# Altium PCB BB.PcbDoc (part 1 of 6) (continued)
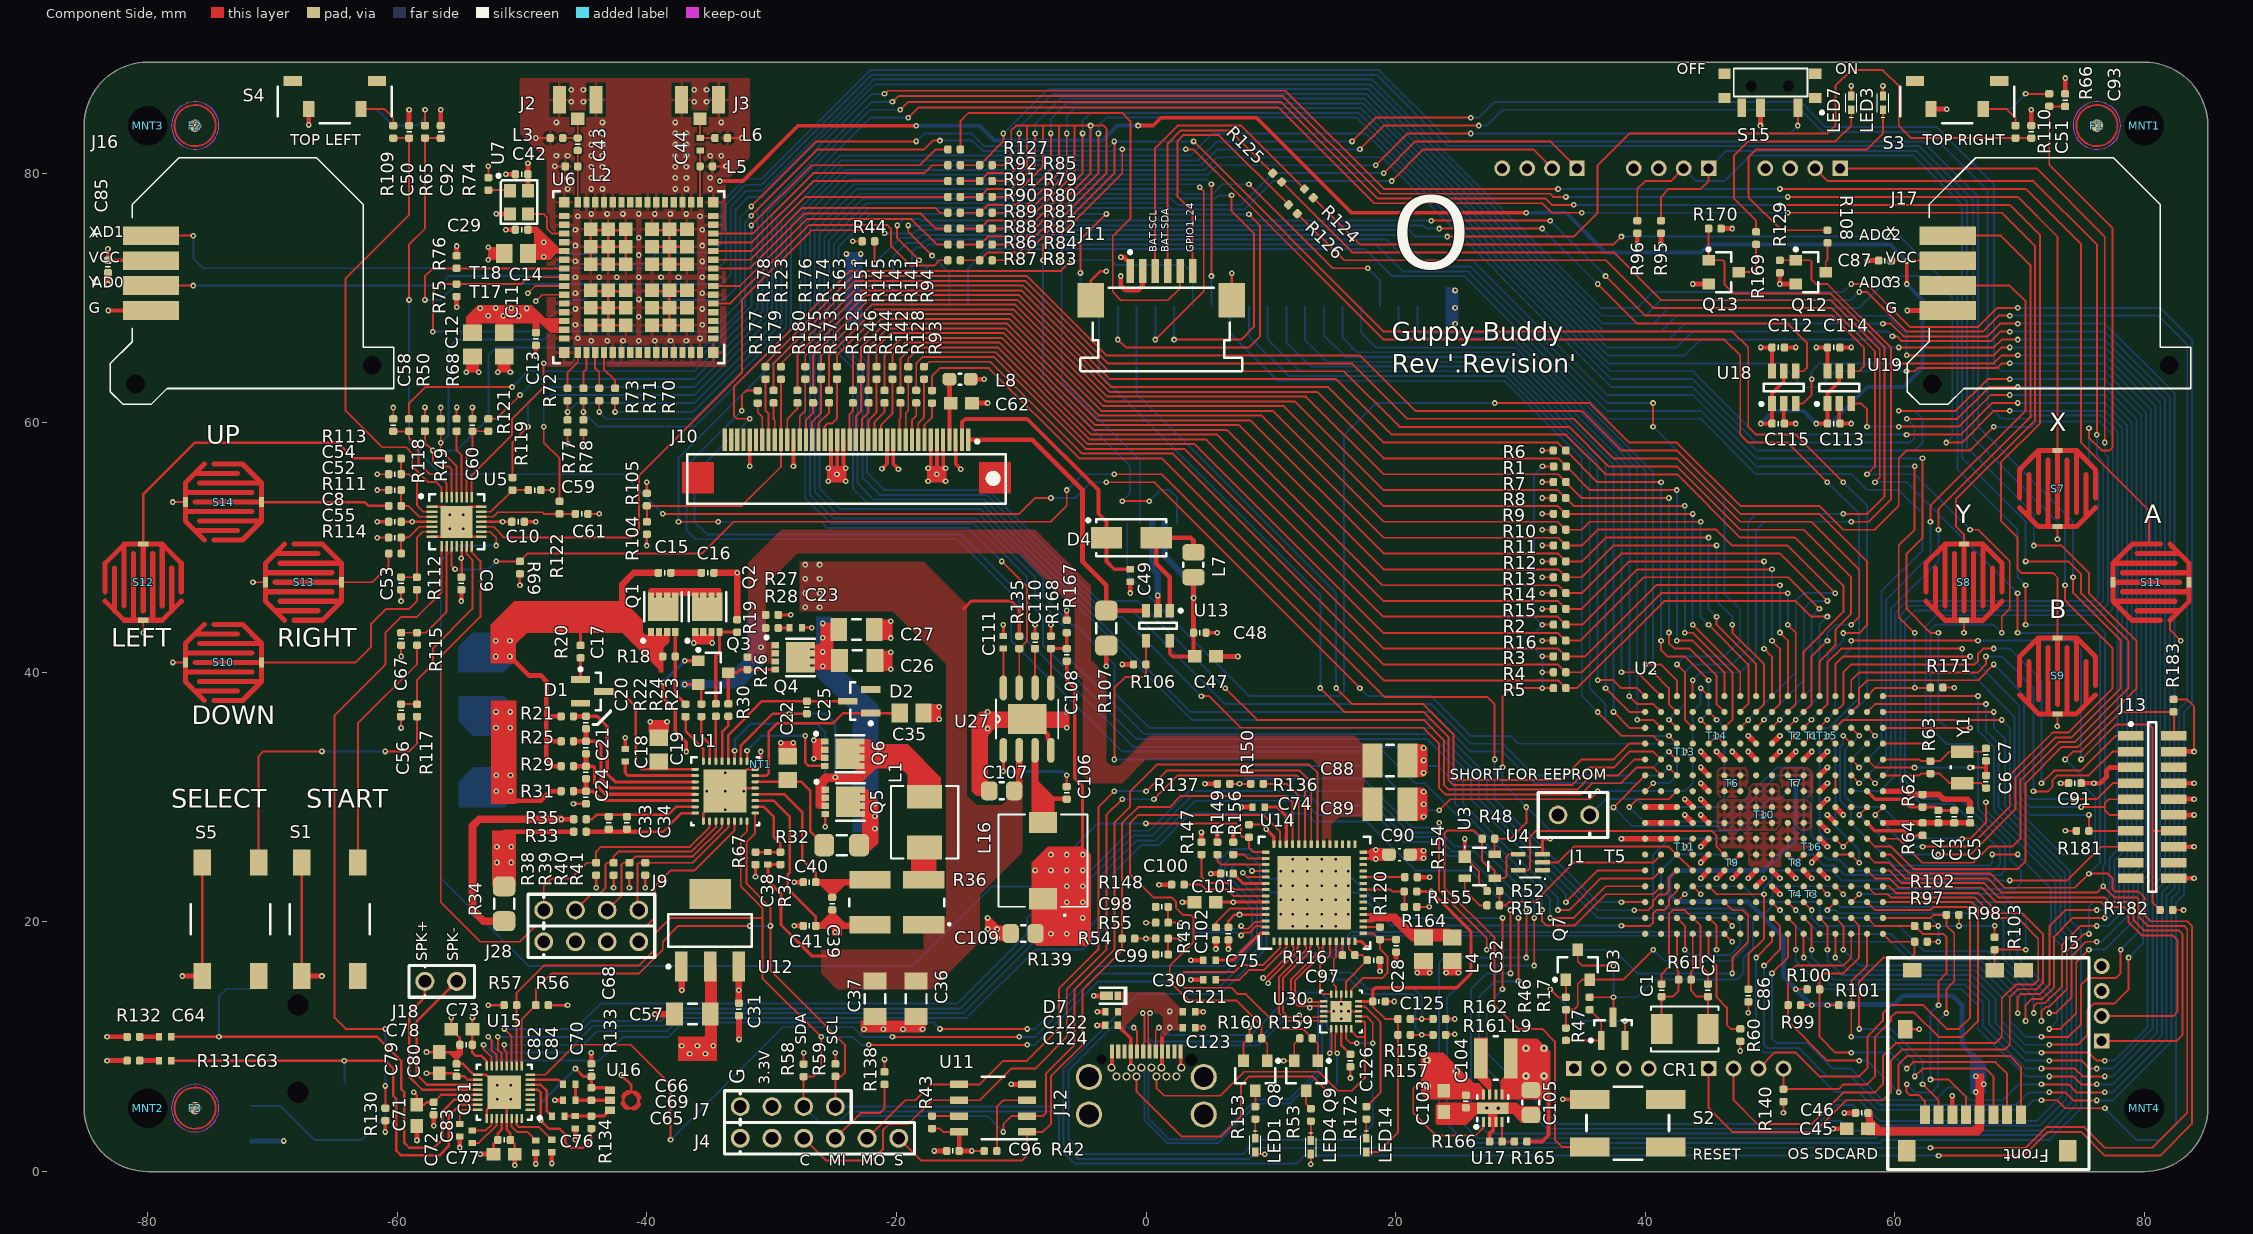
[diagram p0: Component Side view]
## Components (designator, comment, footprint, x,y, rotation, side; value= is the part's Value field where it differs from the comment) (continued)
J14 "J_LIPO_BAT_CONNECTOR" HDR_1X2_LIPO_BATTERY -46.04,38.846 r90 bottom locked
J15 "J_LIPO_BAT_CONNECTOR" HDR_1X2_LIPO_BATTERY -46.04,28.178 r90 bottom locked
J16 "J_PSP1000" JOYSTICK_PSP1000 -72,72 r0 top locked
J17 "J_PSP1000" JOYSTICK_PSP1000 72,72 r0 top locked
J18 "J_HDR1X2_THRHOLE_VERT_FEMALE" 1X2_HOLES_VERTICAL_FEMALE_HEADRER -57.785,15.24 r0 top
J19 "Headphone Jack" HEADPHONE_JACK -73.045,1.85 r90 bottom
J20 "320110034" HW4-2.0-90D 76.581,13.462 r90 bottom locked
J21 "320110034" HW4-2.0-90D 42.085,80.391 r180 bottom locked
J22 "320110034" HW4-2.0-90D 31.544,80.391 r180 bottom locked
J23 "320110034" HW4-2.0-90D 52.626,80.391 r180 bottom locked
J24 "320110034" HW4-2.0-90D 48.085,8.255 r0 bottom locked
J25 "320110034" HW4-2.0-90D 37.29,8.255 r0 bottom locked
J28 "J_HDR1X4_THRHOLE_VERT" HDR_1X4 -48.26,18.415 r0 top
L1 "L_IHLP2020BZER2R2M11" IHLP-2020BZ -17.742,27.995 r90 top
L2 "L_0402_1.3nH" R_0402 -46.04,80.555 r0 top
L3 "L_0402_1.3nH" R_0402 -47.236,82.825 r0 top
L4 "L_FB_21OHM_100MHZ" C_ERA-0805 22.244,17.815 r90 top
L5 "L_0402_2.2nH" R_0402 -35.24,80.555 r180 top
L6 "L_0402_1.8nH" R_0402 -34.044,82.825 r180 top
L7 "CBC2016T220K" L_0806 3.808,48.625 r270 top
L8 "L_BEAD_0603_30OHM_100MHZ" R_0603 -14.9,63.5 r0 top
L9 "1.0uH" SRN3010-1R0Y 28.035,9.05 r0 top
L16 "L_CLF7045T-3R3N" CLF7045 -8.255,24.916 r90 top
LED1 "LED_GRN_0402" DIOM1005X07L_GREEN 8.757,2.117 r270 top
LED3 "LED_GRN_0402" DIOM1005X07L_GREEN 59.055,85.64 r90 top
LED4 "LED_YLW_0402" DIOM1005X07L_YELLOW 13.208,1.947 r270 top
LED7 "LED_GRN_0402" DIOM1005X07L_GREEN 56.515,85.64 r90 top
LED14 "LED_RED_0402" DIOM1005X07L_RED 17.653,2.117 r270 top
MNT1 "Mounting Hole" MNT_4-40 80.01,83.82 r0 top locked
MNT2 "Mounting Hole" MNT_4-40 -80.01,5.08 r0 top locked
MNT3 "Mounting Hole" MNT_4-40 -80.01,83.82 r0 top locked
MNT4 "Mounting Hole" MNT_4-40 80.01,5.08 r0 top locked
NT1 "NET_TIE" NET_TIE -30.861,32.632 r90 top net-tie
Q1 "N-Channel Nex_FET" "Q_TDSON-8 NexFET" -38.698,44.665 r90 top
Q2 "N-Channel Nex_FET" "Q_TDSON-8 NexFET" -35.148,44.665 r90 top
Q3 "NFET" SOT-23A -34.673,39.98 r90 top
Q4 "N-Channel Nex_FET" "Q_TDSON-8 NexFET" -28.278,41.205 r0 top
Q5 "N-Channel Nex_FET" "Q_TDSON-8 NexFET" -24.273,29.63 r0 top
Q6 "N-Channel Nex_FET" "Q_TDSON-8 NexFET" -24.313,33.48 r0 top
Q7 "PNP" SOT-23A 34.601,16.575 r180 top
Q8 "NFET" SOT-23A 8.763,7.677 r0 top
Q9 "NFET" SOT-23A 12.827,7.677 r0 top
Q12 "NFET" SOT-23A 53.27,72.075 r90 top
Q13 "NFET" SOT-23A 46.285,72.075 r90 top
R1 "R_0402_100K" R_0402 33.167,56.515 r0 top
R2 "R_0402_100K" R_0402 33.155,43.823 r0 top
R3 "R_0402_100K" R_0402 33.144,41.284 r0 top
R4 "R_0402_100K" R_0402 33.155,40.009 r0 top
R5 "R_0402_100K" R_0402 33.155,38.735 r0 top
R6 "R_0402_100K" R_0402 33.144,57.785 r180 top
R7 "R_0402_100K" R_0402 33.155,55.253 r180 top
R8 "R_0402_100K" R_0402 33.144,53.975 r180 top
R9 "R_0402_100K" R_0402 33.155,52.709 r180 top
R10 "R_0402_100K" R_0402 33.144,51.435 r180 top
R11 "R_0402_100K" R_0402 33.155,50.176 r180 top
R12 "R_0402_100K" R_0402 33.144,48.895 r180 top
R13 "R_0402_100K" R_0402 33.155,47.625 r180 top
R14 "R_0402_100K" R_0402 33.155,46.351 r180 top
R15 "R_0402_100K" R_0402 33.155,45.085 r180 top
R16 "R_0402_100K" R_0402 33.144,42.545 r180 top
R17 "R_0402_39K" R_0402 35.551,13.47 r270 top
R18 "R_0402_10M" R_0402 -38.223,41.275 r0 top
R19 "R_0402_10M" R_0402 -32.766,43.73 r270 top
R20 "R_0402_10.0" R_0402 -45.316,41.664 r270 top
R21 "R_0402_100.0" R_0402 -46.378,36.48 r0 top
R22 "5.11k Ohms" R_0402 -36.898,36.956 r270 top
R23 "5.11k Ohms" R_0402 -34.473,36.98 r270 top
R24 "R_0402_10.0K" R_0402 -35.628,36.965 r270 top
R25 "R_0402_100.0" R_0402 -46.378,34.48 r0 top
R26 "R_0402_10M" R_0402 -31.945,40.73 r270 top
R27 "R_0402_100.0K" R_0402 -29.973,44.611 r0 top
R28 "1.0 Ohms" R_0402 -29.973,43.561 r0 top
R29 "R_0402_100.0" R_0402 -46.378,32.48 r0 top
R30 "5.11k Ohms" R_0402 -33.473,36.98 r90 top
R31 "R_0402_100.0" R_0402 -46.378,30.48 r0 top
R32 "R_1206_10" R_1206 -24.384,26.162 r0 top
R33 "0.0 Ohms" R_0402 -45.358,27.23 r0 top
R34 "R_1206_0.005" R_1206 -51.44,21.46 r270 top
R35 "0.0 Ohms" R_0402 -45.358,28.23 r0 top
R36 "0.01 OHM" R_LVK25_0.003 -19.967,21.568 r90 top
R37 "R_0402_330K" R_0402 -29.292,25.097 r90 top
R38 "R_0402_NTC_10.0K" R_0402 -44.064,24.246 r270 top
R39 "R_0402_NTC_10.0K" R_0402 -42.667,24.246 r270 top
R40 "R_0402_NTC_10.0K" R_0402 -41.397,24.246 r270 top
R41 "R_0402_NTC_10.0K" R_0402 -40.127,24.246 r270 top
R42 "3.3k Ohms" R_0402 -12.454,1.649 r0 top
R43 "3.3k Ohms" R_0402 -17.145,3.945 r90 top
R44 "R_0402_100K" R_0402 -22.25,74.549 r180 top
R45 "R_0402_15.0K" R_0402 5.604,19.058 r90 top
R46 "R_0402_499.0" R_0402 33.646,13.47 r270 top
R47 "R_0402_10.0K" R_0402 33.646,11.002 r90 top
R48 "R_0402_10.0K" R_0402 27.44,26.67 r180 top
R49 "R_0402_2.2K" R_0402 -56.515,59.817 r270 top
R50 "R_0402_2.2K" R_0402 -57.785,59.825 r270 top
R51 "1.0k Ohms" R_0402 27.821,21.336 r0 top
R52 "R_0402_100K" R_0402 27.829,22.479 r180 top
R53 "1.0k Ohms" R_0402 13.208,4.537 r90 top
R54 "R_0402_100K" R_0402 1.278,18.669 r180 top
R55 "R_0402_100K" R_0402 1.278,19.944 r0 top
R56 "R_0402_2.2K" R_0402 -48.395,13.335 r180 top
R57 "R_0402_2.2K" R_0402 -50.94,13.335 r0 top
R58 "R_0402_2.2K" R_0402 -27.432,8.112 r270 top
R59 "R_0402_2.2K" R_0402 -24.892,8.125 r270 top
R60 "R_0402_10.0K" R_0402 47.625,10.93 r90 top
R61 "1.0M Ohms" R_0402 43.18,15.375 r180 top
R62 "0.0 Ohms" R_0402 62.23,29.71 r90 top
R63 "1.0M Ohms" R_0402 62.854,32.394 r270 top
R64 "0.0 Ohms" R_0402 62.24,27.437 r90 top
R65 "R_0402_10.0K" R_0402 -57.777,83.32 r90 top
R66 "4.7k Ohms" R_0402 72.381,85.86 r90 top
R67 "56.2k" R_0402 -31.292,25.097 r270 top
R68 "4.7k Ohms" R_0402 -55.245,59.825 r270 top
R69 "4.7k Ohms" R_0402 -50.17,48.395 r90 top
R70 "R_0402_33" R_0402 -42.545,62.275 r90 top
R71 "R_0402_33" R_0402 -43.815,62.275 r90 top
R72 "R_0402_33" R_0402 -46.355,62.275 r90 top
R73 "R_0402_33" R_0402 -45.085,62.275 r90 top
R74 "1.0k Ohms" R_0402 -52.705,79.15 r270 top
R75 "R_0402_100.0K" R_0402 -55.245,70.62 r270 top
R76 "R_0402_100.0K" R_0402 -55.245,72.89 r90 top
R77 "1.0k Ohms" R_0402 -46.355,59.735 r90 top
R78 "1.0k Ohms" R_0402 -45.085,59.735 r90 top
R79 "R_0402_10.0K" R_0402 -12.835,79.375 r180 top
R80 "R_0402_10.0K" R_0402 -12.835,78.105 r180 top
R81 "R_0402_10.0K" R_0402 -12.835,76.835 r180 top
R82 "R_0402_10.0K" R_0402 -12.835,75.565 r180 top
R83 "R_0402_10.0K" R_0402 -12.835,73.025 r180 top
R84 "R_0402_10.0K" R_0402 -12.835,74.296 r180 top
R85 "R_0402_10.0K" R_0402 -12.835,80.645 r180 top
R86 "R_0402_33" R_0402 -15.375,74.295 r180 top
R87 "R_0402_33" R_0402 -15.375,73.025 r180 top
R88 "R_0402_33" R_0402 -15.375,75.565 r180 top
R89 "R_0402_33" R_0402 -15.375,76.835 r180 top
R90 "R_0402_33" R_0402 -15.375,78.105 r180 top
R91 "R_0402_33" R_0402 -15.375,79.375 r180 top
R92 "R_0402_33" R_0402 -15.375,80.645 r180 top
R93 "R_0402_33" R_0402 -17.145,62.086 r270 top
R94 "R_0402_33" R_0402 -17.78,64 r270 top
R95 "R_0402_2.2K" R_0402 41.275,75.7 r90 top
R96 "R_0402_2.2K" R_0402 39.37,75.7 r90 top
R97 "R_0402_10.0K" R_0402 62.095,18.415 r180 top
R98 "R_0402_10.0K" R_0402 64.643,20.574 r180 top
R99 "R_0402_10.0K" R_0402 51.952,13.335 r180 top
R100 "R_0402_10.0K" R_0402 53.475,14.605 r0 top
R101 "R_0402_10.0K" R_0402 56.015,13.337 r0 top
R102 "R_0402_10.0K" R_0402 62.095,19.685 r180 top
R103 "R_0402_10.0K" R_0402 68.01,18.28 r270 top
R104 "R_0402_10.0K" R_0402 -39.997,51.57 r90 top
R105 "R_0402_10.0K" R_0402 -40.005,53.84 r90 top
R106 "R_0402_10.0K" R_0402 -0.502,40.64 r180 top
R107 "R_1206_4.99" R_1206 -3.177,43.545 r270 top
R108 "1.0k Ohms" R_0402 54.61,74.93 r270 top
R109 "R_0402_10.0K" R_0402 -60.325,83.32 r90 top
R110 "4.7k Ohms" R_0402 69.675,83.32 r90 top
R111 "4.7k Ohms" R_0402 -60.19,53.34 r180 top
R112 "4.7k Ohms" R_0402 -58.428,47.125 r270 top
R113 "4.7k Ohms" R_0402 -60.19,57.15 r180 top
R114 "4.7k Ohms" R_0402 -60.19,49.53 r180 top
R115 "4.7k Ohms" R_0402 -58.42,42.68 r270 top
R116 "0.0 Ohms" R_0402 16.244,17.342 r0 top
R117 "4.7k Ohms" R_0402 -58.42,36.956 r270 top
R118 "4.7k Ohms" R_0402 -59.055,59.817 r90 top
R119 "4.7k Ohms" R_0402 -50.765,55.11 r90 top
R120 "0.0 Ohms" R_0402 18.744,19.092 r270 top
R121 "4.7k Ohms" R_0402 -52.706,59.825 r90 top
R122 "4.7k Ohms" R_0402 -46.99,53.205 r90 top
R123 "0.0 Ohms" R_0402 -29.25,64 r270 top
R124 "0.0 Ohms" R_0402 13.054,78.386 r135 top
R125 "0.0 Ohms" R_0402 10.514,79.657 r135 top
R126 "0.0 Ohms" R_0402 11.779,77.116 r135 top
R127 "0.0 Ohms" R_0402 -15.375,81.912 r0 top
R128 "R_0402_33" R_0402 -18.415,62.095 r270 top
R129 "R_0402_100.0K" R_0402 50.791,72.525 r270 top
R130 "R_0402_10.0K" R_0402 -60.96,4.58 r90 top
R131 "R_0402_33" R_0402 -81.145,8.89 r180 top
R132 "R_0402_33" R_0402 -81.145,10.795 r180 top
R133 "R_0402_2.2K" R_0402 -44.45,6.211 r270 top
R134 "R_0402_2.2K" R_0402 -44.45,3.945 r90 top
R135 "R_0402_100K" R_0402 -10.16,42.41 r90 top
R136 "0.0 Ohms" R_0402 8.897,31.071 r0 top
R137 "0.0 Ohms" R_0402 6.222,31.071 r0 top
R138 "3.3k Ohms" R_0402 -20.955,7.485 r270 top
R139 "3.3k Ohms" R_0402 -1.41,18.669 r180 top
R140 "R_0402_10.0K" R_0402 51.085,6.104 r90 top
R141 "R_0402_33" R_0402 -19.05,64 r270 top
R142 "R_0402_33" R_0402 -19.685,62.095 r270 top
R143 "R_0402_33" R_0402 -20.326,64 r270 top
R144 "R_0402_33" R_0402 -20.955,62.095 r270 top
R145 "R_0402_33" R_0402 -21.59,64 r270 top
R146 "R_0402_33" R_0402 -22.225,62.095 r270 top
R147 "3.3k Ohms" R_0402 4.445,25.905 r270 top
R148 "R_0402_100K" R_0402 2.548,22.99 r0 top
R149 "R_0402_10.0K" R_0402 5.715,25.905 r270 top
R150 "R_0402_10.0K" R_0402 8.255,27.297 r270 top
R151 "R_0402_33" R_0402 -22.838,64 r270 top
R152 "R_0402_33" R_0402 -23.495,62.095 r270 top
R153 "1.0k Ohms" R_0402 8.763,4.707 r90 top
R154 "1.0M Ohms" R_0402 21.244,23.587 r0 top
R155 "R_0402_10.0K" R_0402 21.201,22.442 r0 top
R156 "R_0402_10.0K" R_0402 6.994,25.905 r270 top
R157 "1.0M Ohms" R_0402 20.693,10.957 r0 top
R158 "1.0M Ohms" R_0402 20.693,12.227 r0 top
R159 "R_0402_100.0K" R_0402 12.827,10.679 r180 top
R160 "R_0402_100.0K" R_0402 8.763,10.679 r180 top
R161 "1.0M Ohms" R_0402 23.503,10.957 r0 top
R162 "1.0M Ohms" R_0402 23.503,12.227 r0 top
R163 "R_0402_33" R_0402 -24.765,64.009 r270 top
R164 "R_0402_10.0K" R_0402 21.201,21.209 r0 top
R165 "R_0402_249K" R_0402 30.022,2.403 r180 top
R166 "R_0402_39.2K" R_0402 28.035,2.403 r180 top
R167 "R_0402_130K" R_0402 -6.352,43.68 r270 top
R168 "R_0402_24k" R_0402 -7.62,42.41 r90 top
R169 "1.0k Ohms" R_0402 48.895,74.795 r270 top
R170 "R_0402_100.0K" R_0402 45.585,75.565 r0 top
R171 "4.7k Ohms" R_0402 63.365,38.777 r180 top
R172 "1.0k Ohms" R_0402 17.659,4.707 r90 top
R173 "R_0402_33" R_0402 -25.4,62.104 r270 top
R174 "R_0402_33" R_0402 -26.035,64.009 r270 top
R175 "R_0402_33" R_0402 -26.67,62.104 r270 top
R176 "R_0402_33" R_0402 -27.305,64.009 r270 top
R177 "R_0402_33" R_0402 -31.115,62.086 r270 top
R178 "R_0402_33" R_0402 -30.48,64 r270 top
R179 "R_0402_33" R_0402 -29.845,62.095 r270 top
R180 "R_0402_33" R_0402 -27.94,62.095 r270 top
R181 "4.7k Ohms" R_0402 75.065,27.305 r0 top
R182 "4.7k Ohms" R_0402 81.764,20.955 r180 top
R183 "4.7k Ohms" R_0402 82.349,37.339 r90 top
S1 "S_TACTILE_1571563_2_BUTTON" TACTILE_1571563_2 -65.405,20.215 r270 top
S2 "S_TACTILE_BUTTON" "Tact Switch" 38.608,3.885 r180 top
S3 "S_TACTILE_ RA_TL3330AF130QG_BUTTON" TL3330AF130QG 65,86 r180 top locked
S4 "S_TACTILE_ RA_TL3330AF130QG_BUTTON" TL3330AF130QG -65,86 r180 top locked
S5 "S_TACTILE_1571563_2_BUTTON" TACTILE_1571563_2 -73.37,20.215 r270 top
S6 "S_TACTILE_ RA_TL3330AF130QG_BUTTON" TL3330AF130QG -65,86 r0 bottom
S7 "S_GB_BTN" GB_BUTTON#1 73.045,54.725 r270 top
S8 "S_GB_BTN" GB_BUTTON#2 65.545,47.225 r270 top
S9 "S_GB_BTN" GB_BUTTON#2 73.045,39.725 r270 top
S10 "S_GB_BTN" GB_BUTTON#2 -73.935,40.8 r180 top
S11 "S_GB_BTN" GB_BUTTON#3 80.545,47.225 r0 top
S12 "S_GB_BTN" GB_BUTTON#2 -80.36,47.225 r270 top
S13 "S_GB_BTN" GB_BUTTON#2 -67.51,47.225 r180 top
S14 "S_GB_BTN" GB_BUTTON#2 -73.935,53.65 r180 top
S15 "Micro Slide Switch" PCM_SMD_SWITCH 50,87 r180 top
S16 "S_TACTILE_ RA_TL3330AF130QG_BUTTON" TL3330AF130QG 65,86 r0 bottom
T1 "TEST_POINT_SMALL" TESTPOINTSMALL 53.34,34.925 r270 top
T2 "TEST_POINT_SMALL" TESTPOINTSMALL 52.07,34.925 r270 top
T3 "TEST_POINT_SMALL" TESTPOINTSMALL 53.34,22.225 r270 top
T4 "TEST_POINT_SMALL" TESTPOINTSMALL 52.07,22.225 r270 top
T5 "TEST_POINT_SMALL" TESTPOINTSMALL 38.1,26.67 r270 top
T6 "TEST_POINT_SMALL" TESTPOINTSMALL 46.99,31.115 r270 top
T7 "TEST_POINT_SMALL" TESTPOINTSMALL 52.07,31.115 r270 top
T8 "TEST_POINT_SMALL" TESTPOINTSMALL 52.07,24.765 r270 top
T9 "TEST_POINT_SMALL" TESTPOINTSMALL 46.99,24.765 r270 top
T10 "TEST_POINT_SMALL" TESTPOINTSMALL 49.53,28.575 r0 top
T11 "TEST_POINT_SMALL" TESTPOINTSMALL 43.18,26.035 r270 top
T13 "TEST_POINT_SMALL" TESTPOINTSMALL 43.18,33.655 r0 top
T14 "TEST_POINT_SMALL" TESTPOINTSMALL 45.72,34.925 r0 top
T15 "TEST_POINT_SMALL" TESTPOINTSMALL 54.61,34.925 r0 top
T16 "TEST_POINT_SMALL" TESTPOINTSMALL 53.34,26.035 r0 top
T17 "TEST_POINT_SMALL" TESTPOINTSMALL -48.895,69.76 r270 top
T18 "TEST_POINT_SMALL" TESTPOINTSMALL -49.53,70.395 r270 top
U1 "U_BQ40Z60RHBR" RHB0032E -33.723,30.48 r0 top
U2 "U_OSD3358-512M-BSM" OSD335X-BGA-256 49.53,28.575 r180 top locked
U3 "U_APX811-26UG-7" SOT190P237X120-4N 26.74,24.46 r0 top
U4 "U_SN74LVC1G07DCKR" DCK5 30.81,24.78 r180 top
U5 "U_SX1503I091TRT" QFN40P400X400X60_HS-29N -55.245,52.07 r0 top locked
U6 "U_WL1837MODGIMOCT" MOC0100A -40.64,71.665 r180 top locked
U7 "U_ASDK2-32.768KHZ-LR-T3" KC2520B -50.255,77.67 r270 top
U11 "U_W25Q80DVSNIG" "SOIC-8 - TI" -12.25,5.08 r180 top
U12 "ADJ Regulator" SOT230P700X180-4N -34.925,19.325 r90 top
U13 "U_LM3410XMFE" MF05A_N 0.953,43.745 r270 top
U14 "PartNumber" RWE0056B 13.494,22.342 r90 top
U15 "U_AK4954AEN" QFN40P400X400X80_HS-33N -51.44,6.354 r180 top
U16 "U_MP23AB01DHTR" RHLGA -41.27,5.715 r90 top
U17 "TPS62080" QFN50P200X200X80-8L 27.785,5.07 r0 top
U18 "LEVEL Translator" TSOT-6 51.112,62.835 r90 top
U19 "LEVEL Translator" TSOT-6 55.56,62.835 r90 top
U27 "U_TPS54339EDDAR" DDA0008E -9.525,36.258 r90 top
U30 "U_TPD8S300RUK" RUK0020B 15.629,12.827 r90 top
Y1 "32.768kHz (Tuning Fork)" FC-135_CRYSTAL 65.405,32.385 r90 top

## Footprints (in the part's own frame and the unit in brackets; to place one, negate y for a bottom-side part, rotate by r counter-clockwise, add the part's x,y. Pads: shape width x height; smd on the part's side, far side on the other; paste and mask are expansions set on the pad)
1X2_HOLES_VERTICAL_FEMALE_HEADRER [mil]
  round 60 hole 40: 1(0,0) 2(100,0)
  silkscreen extent -50,-50 156,50, body extent -60,-47 160,48, height 335
20_SMC_HDR_RECPT [mm] "SOIC, 20-Leads, Body 13.6x3.0mm (max), Pitch 1.27mm, IPC High Density"
  rect 2.05x0.76 smd: 1(-1.725,5.715) 2(1.725,5.715) 3(-1.725,4.445) 4(1.725,4.445) 5(-1.725,3.175) 6(1.725,3.175) 7(-1.725,1.905) 8(1.725,1.905) 9(-1.725,0.635) 10(1.725,0.635) 11(-1.725,-0.635) 12(1.725,-0.635) 13(-1.725,-1.905) 14(1.725,-1.905) 15(-1.725,-3.175) 16(1.725,-3.175) 17(-1.725,-4.445) 18(1.725,-4.445) 19(-1.725,-5.715) 20(1.725,-5.715)
  silkscreen extent -1.85,-6.8 0.33,6.8, body extent -1.5,-6.8 1.5,6.8, height 4.5
C_14-1210 [mm]
  rect 1.6x2.7 smd: 1(-1.4,0) 2(1.4,0)
  silkscreen extent -0.3,-1.25 0.3,1.25, body extent -1.57,-1.25 1.63,1.25, height 2.5
C_0402 [mm] "Capacitor 0402"
  rrect50% 0.6x0.65 smd: 1(-0.5,0) 2(0.5,0)
  silkscreen extent 0,-0.2 0,0.2, body extent -0.5,-0.3 0.5,0.3, height 0.2
C_0603 [mm] "Capacitor 0603"
  rrect50% 1.1x1 smd: 1(-0.85,0) 2(0.85,0)
  silkscreen extent -0.1,-0.48 0.1,0.48, body extent -0.8,-0.4 0.8,0.4, height 0.77
C_0805 [mm] "Capacitor 0805"
  rrect50% 1.3x1.5 smd: 1(-1,0) 2(1,0)
  silkscreen extent -0.15,-0.67 0.15,0.67, body extent -1,-0.63 1,0.63, height 0.59
C_ERA-0402 [mm]
  rect 0.5x0.6 smd: 1(-0.5,0) 2(0.5,0)
  body extent -0.5,-0.3 0.5,0.3, height 0.2
C_ERA-0603 [mm]
  rect 1.1x1 smd: 1(-0.85,0) 2(0.85,0)
  body extent -0.8,-0.4 0.8,0.4, height 0.3
C_ERA-0805 [mm]
  rect 1.3x1.5 smd: 1(-0.95,0) 2(0.95,0)
  body extent -0.94,-0.62 1.06,0.63, height 0.78
CAP-1206 [mm] "Chip Capacitor, 2-Leads, Body 1206, IPC Medium Density"
  rect 1.35x1.85 smd: 1(-1.425,0) 2(1.425,0)
  silkscreen extent -0.35,-0.82 0.35,0.82, body extent -1.7,-0.9 1.7,0.9, height 1.8
CLF7045 [mil]
  rect 67x87 smd: 1(-120,0) 2(120,0)
  silkscreen extent -175,-140 145,140
CRYSTAL_TXC_7A [mil]
  rect 67x94 smd paste+0 mask+0: 1(-73,0) 2(73,0)
  silkscreen extent -107,-71 107,71, body extent 0,0 10,10, height 10
DCK5 [mil]
  rect 46x14 smd paste+0 mask+0: 1(-38,25.59) 2(-38,0) 3(-38,-25.59) 4(38,-25.59) 5(38,25.59)
  silkscreen extent -48,-48 32,54, body extent -28,-42 28,42, height 43
DDA0008E [mm]
  oval 2x0.6 smd: 1(-2.5,1.905) 2(-2.5,0.635) 3(-2.5,-0.635) 4(-2.5,-1.905) 5(2.5,-1.905) 6(2.5,-0.635) 7(2.5,0.635) 8(2.5,1.905)
  rect 2.4x3.1 smd: 9(0,0)
  silkscreen extent -1.58,-2.49 1.58,2.49
DIOM1005X07L_GREEN [mm] "Molded Diode, 2-Leads, Body 1.0x0.5mm, IPC High Density"
  rect 0.7x0.5 smd: 1(0.55,0) 2(-0.55,0)
  silkscreen extent -1.15,-0.45 0.75,0.45, body extent -0.5,-0.25 0.51,0.25, height 0.45
DIOM1005X07L_RED [mm] "Molded Diode, 2-Leads, Body 1.0x0.5mm, IPC High Density"
  rect 0.7x0.5 smd: 1(0.55,0) 2(-0.55,0)
  silkscreen extent -1.15,-0.45 0.75,0.45, body extent -0.5,-0.25 0.51,0.25, height 0.45
DIOM1005X07L_YELLOW [mm] "Molded Diode, 2-Leads, Body 1.0x0.5mm, IPC High Density"
  rect 0.7x0.5 smd: 1(0.55,0) 2(-0.55,0)
  silkscreen extent -1.15,-0.45 0.75,0.45, body extent -0.5,-0.25 0.51,0.25, height 0.45
DIOM5226X23L [mm] "Molded Diode, 2-Leads, Body 5.2x2.6mm, IPC High Density"
  rect 2.5x1.7 smd: 1(2,0) 2(-2,0)
  silkscreen extent -3.57,-1.5 2.8,1.52, body extent -2.8,-1.46 2.8,1.46, height 2.3
DSN2_0603 [mm]
  rect 0.52x0.7 smd: 1(-0.64,0)
  rect 1.05x0.7 smd: 2(0.275,0)
  silkscreen extent -1.4,-0.75 0.8,0.75, body extent -0.8,-0.4 0.8,0.4, height 0.31
DX07S024XJ1R1100 [mm]
  rect 0.33x1.13 smd: A1(0.85,0.66) A2(1.35,0.66) A3(1.85,0.66) A4(2.35,0.66) A5(2.85,0.66) A6(3.35,0.66) A7(3.85,0.66) A8(4.35,0.66) A9(4.85,0.66) A10(5.35,0.66) A11(5.85,0.66) A12(6.35,0.66)
  round 0.65 hole 0.4: B1(6.4,-0.65) B2(6,-1.35) B3(5.2,-1.35) B4(4.8,-0.65) B5(4.4,-1.35) B6(4,-0.65) B7(3.2,-0.65) B8(2.8,-1.35) B9(2.4,-0.65) B10(2,-1.35) B11(1.2,-1.35) B12(0.8,-0.65)
  round 0 hole 0.8 unplated: M(0,0)
  round 0 hole 1 unplated: M(7.2,0)
  round 2.1 hole 1.6: M1(-1,-1.4) M2(8.2,-1.4) M3(-1,-4.4) M4(8.2,-4.4)
  body extent -1.09,-8.85 8.31,0.91, height 3.42
FC-135_CRYSTAL [mm] "FC-135"
  rect 1x1.8 smd: 1(-1.25,0) 2(1.25,0)
  silkscreen extent -0.07,-0.9 0.08,0.9, body extent -1.75,-0.9 1.75,0.9, height 0.9
"FIDUCIAL ROUND" [mm] "FIDUCIAL ROUND"
  round 1 smd paste+0 mask+1.1: 0(0,0)
  round 1 smd far side paste+0 mask+1.1: 0(0,0)
  Component Side circle w0.152: c0,0 r1.651
  Solder Side circle w0.152: c0,0 r1.651
  Keep-Out Layer circle w0.1: c0,0 r1.905
FPC_40PIN [mm] "FPC, 40-Leads, Body"
  rect 1.8x0.35 smd mask+0.102: 1(-2.65,9.75) 7(-2.65,6.75) 8(-2.65,6.25) 9(-2.65,5.75) 10(-2.65,5.25) 11(-2.65,4.75) 12(-2.65,4.25) 13(-2.65,3.75) 14(-2.65,3.25) 15(-2.65,2.75) 16(-2.65,2.25) 17(-2.65,1.75) 18(-2.65,1.25) 19(-2.65,0.75) 20(-2.65,0.25) 21(-2.65,-0.25) 22(-2.65,-0.75) 23(-2.65,-1.25) 24(-2.65,-1.75) 25(-2.65,-2.25) 26(-2.65,-2.75) 27(-2.65,-3.25) 28(-2.65,-3.75) 29(-2.65,-4.25) 30(-2.65,-4.75) 31(-2.65,-5.25) 32(-2.65,-5.75) 33(-2.65,-6.25) 34(-2.65,-6.75) 35(-2.65,-7.25) 36(-2.65,-7.75) 37(-2.65,-8.25) 38(-2.65,-8.75) 39(-2.65,-9.25) 40(-2.65,-9.75)
  rect 1.8x0.32 smd mask+0.102: 2(-2.65,9.25) 3(-2.65,8.75) 4(-2.65,8.25) 5(-2.65,7.75) 6(-2.65,7.25)
  Component Side region: -0.85,13.15 1.65,13.15 1.65,10.65 -0.85,10.65
  Component Side region: -0.85,-10.65 1.65,-10.65 1.65,-13.15 -0.85,-13.15
  silkscreen extent -2.62,-12.75 2.5,12.75, body extent -3.1,-12.73 4.05,12.77, height 2
GB_BUTTON#1 [mil]
  rect 16x32 smd: 1(-120,0) 2(120,0)
  Component Side lines w16: 60,-120 90,-90 ; 30,-120 -60,-120 -120,-60 ; -45,-90 90,-90 ; 75,-60 -120,-60 ; -90,-30 120,-30 ; 90,0 -120,0 ; -90,30 120,30 ; 75,60 -120,60 ; -45,90 90,90 ; 60,120 90,90 ; 30,120 -60,120 -120,60 ; 90,-90 120,-60 120,-30 ; -120,-60 -120,-25 -120,0 ; 120,-30 120,0 120,30 ; -120,0 -120,60 ; 120,30 120,60 90,90
  body extent -130,-130 130,130, height 50
GB_BUTTON#2 [mil]
  rect 16x32 smd: 1(-120,0) 2(120,0)
  Component Side lines w16: 60,-120 90,-90 ; 30,-120 -60,-120 -120,-60 ; -45,-90 90,-90 ; 75,-60 -120,-60 ; -90,-30 120,-30 ; 90,0 -120,0 ; -90,30 120,30 ; 75,60 -120,60 ; -45,90 90,90 ; 60,120 90,90 ; 30,120 -60,120 -120,60 ; 90,-90 120,-60 120,-30 ; -120,-60 -120,0 ; 120,-30 120,0 120,30 ; -120,0 -120,60 ; 120,30 120,60 90,90
  body extent -130,-130 130,130, height 50
GB_BUTTON#3 [mil]
  rect 16x32 smd: 1(-120,0) 2(120,0)
  Component Side lines w16: -90,-30 120,-30 ; -90,30 120,30 ; -45,-90 90,-90 ; -45,90 90,90 ; 30,-120 -60,-120 -120,-60 ; 30,120 -6.06,120 -60,120 -120,60 ; 60,-120 90,-90 ; 60,120 90,90 ; 75,-60 -120,-60 ; 75,60 -120,60 ; 90,0 -120,0 ; -120,-60 -120,0 ; -120,0 -120,60 ; 90,-90 120,-60 120,-30 ; 90,90 120,60 120,30 ; 120,-30 120,-0.83 120,0 120,30
  body extent -130,-130 130,130, height 50
GB_CART [mm] "GB_CART"
  rect 1.36x3.46 smd: 1(-23.418,0) 32(23.418,0)
  rect 1.03x3.46 smd: 2(-21.747,0) 3(-20.247,0) 4(-18.747,0) 5(-17.247,0) 6(-15.747,0) 7(-14.247,0) 8(-12.747,0) 9(-11.247,0) 10(-9.748,0) 11(-8.247,0) 12(-6.748,0) 13(-5.247,0) 14(-3.748,0) 15(-2.247,0) 16(-0.748,0) 17(0.753,0) 18(2.252,0) 19(3.753,0) 20(5.252,0) 21(6.753,0) 22(8.252,0) 23(9.753,0) 24(11.252,0) 25(12.753,0) 26(14.252,0) 27(15.753,0) 28(17.252,0) 29(18.753,0) 30(20.252,0) 31(21.753,0)
  silkscreen extent -25.83,0 25.82,19.42, body extent -25.81,0 25.81,12, height 6.5
HDR_1X2 [mm] "Jumper"
  round 1.5 hole 1.016: 1(0,0) 2(2.54,0)
  silkscreen extent -1.45,-1.8 4.13,1.8, body extent -1.27,-1.27 3.81,1.27, height 8.38
HDR_1X2_LIPO_BATTERY [mm] "POWER CONNECTOR"
  rect 1.1x3.6 smd: 1(1,-7.3) 2(-1,-7.3)
  rect 1.53x3.6 smd: MNT(-3.35,-1.8) MNT(3.35,-1.8)
  silkscreen extent -4.46,-9.43 4.43,0.31, body extent -3.95,-8.7 3.95,-0.1, height 5.63
HDR_1X4 [mm] "HEADER"
  round 1.5 hole 1.016: 1(0,0) 2(2.54,0) 3(5.08,0) 4(7.62,0)
  silkscreen extent -1.27,-1.27 8.89,1.27, body extent -1.26,-1.22 8.9,1.32, height 8.38
HDR_1X6 [mil] "HEADER"
  round 60 hole 40: 1(0,0) 2(100,0) 3(200,0) 4(300,0) 5(400,0) 6(500,0)
  silkscreen extent -50,-50 550,50, body extent -50,-50 550,50, height 334
HEADPHONE_JACK [mm] "SOT23, 3-Leads, Body 3.0x2.6mm (max), Pitch 0.95mm, IPC Medium Density"
  rect 2.2x2.8 smd: 1(0.6,1.35) 4(3.4,1.35)
  rect 2.8x2.8 smd: 2(12.8,1.35) 5(16.9,5.85)
  rect 2x2.8 smd: 3(5.3,8.8) 6(2.5,8.8)
  round 1 hole 1.7 unplated: ""(4.5,5.1) ""(11.5,5.1)
  silkscreen extent -1.4,0.53 15.45,8.27, body extent -1.5,1.92 15.45,8.27, height 1.1
HW4-2.0-90D [mm]
  rect 1.23x1.23 / inner rect 1.524x1.524 / far side rect 1.23x1.23 hole 0.8: 1(-3,0)
  round 1.27 / inner round 1.524 / far side round 1.27 hole 0.8: 2(-1,0) 3(1,0) 4(3,0)
  silkscreen extent -5,-1.5 5,8.4, body extent -4.9,-0.37 5.1,8.28, height 4.99
IHLP-2020BZ [mm] "Vishay Dale recommended land pattern.  Document 34261 rev 12-Sept-13"
  rect 1.915x2.79 smd: 1(-2.038,0) 2(2.037,0)
  silkscreen extent -2.9,-2.7 2.9,2.7, body extent -2.87,-2.72 2.87,2.72, height 2
JOYSTICK_PSP1000 [mm] "JOYSTICK_ANALOG_MINITHM"
  rect 4.498x1.499 smd: 1(-7.75,3) 2(-7.75,1) 3(-7.75,-1) 4(-7.75,-3)
  round 0 hole 1.5 unplated: M(-8.984,-8.89) M(10,-7.375)
  silkscreen extent -11,-10.5 11.73,9.25, body extent -11.7,-10.23 11.55,9.35, height 8
KC2520B [mm]
  rect 1.05x0.95 smd: 1(-0.925,-0.725) 2(0.925,-0.725) 3(0.925,0.725) 4(-0.925,0.725)
  silkscreen extent -2.25,-1.75 1.73,1.48, body extent -1.25,-1 1.25,1, height 0.7
L_0806 [mm] "Inductor 0806"
  rrect50% 1.3x1.8 smd: 1(1,0) 2(-1,0)
  silkscreen extent -0.15,-0.81 0.15,0.79, body extent -1,-0.63 1,0.62, height 0.78
MF05A_N [mm] "SOT23, 5-Leads, Body 2.9x1.6mm, Pitch 0.95mm, Lead Span 2.8mm, IPC Medium Density"
  rect 1.1x0.65 smd: 1(-1.2,0.95) 2(-1.2,0) 3(-1.2,-0.95) 4(1.2,-0.95) 5(1.2,0.95)
  silkscreen extent -1.32,-1.5 0.25,1.95, body extent -0.84,-1.49 0.83,1.5, height 1.19
"MICRO SD" [mm] "MICRO SD"
  rect 0.8x1.5 smd mask+0.05: 1(4.45,-3.75) 2(5.55,-3.75) 3(6.65,-3.75) 4(7.75,-3.75) 5(8.85,-3.75) 6(9.95,-3.75) 7(11.05,-3.75) 8(12.15,-3.75)
  rect 1.15x1.5 smd: 9(13.73,-10.6)
  rect 1.5x1.15 smd: 10(6.55,-15.325) S(4.25,-15.325) S(13.15,-15.325)
  rect 1.4x1.7 smd: S(0.7,-0.85) S(13.6,-0.85)
  Mechanical 1 keep-out region: 7.5,-15.45 8.5,-15.45 8.5,-14.95 7.5,-14.95
  Mechanical 1 keep-out region: 14.05,-13.15 11.15,-13.15 11.15,-14.55 14.05,-14.55
  Mechanical 1 keep-out region: 13.35,-9.65 13.85,-9.65 13.85,-8.65 13.35,-8.65
  silkscreen extent -1,-16.32 15.13,0.65, body extent 0.22,-15.82 14.03,-0.33, height 1.8
MNT_4-40 [mm]
  round 0 hole 3.175 unplated mask+0.038: MOUNT(0,0)
MOC0100A [mm]
  rect 0.85x0.85 smd paste-0.069 mask-0.051: 1(-5.975,6.025) 17(-5.975,-6.025) 33(5.975,-6.025) 49(5.975,6.025)
  rect 0.85x0.5 smd paste-0.05 mask-0.051: 2(-5.975,4.9) 3(-5.975,4.2) 4(-5.975,3.5) 5(-5.975,2.8) 6(-5.975,2.1) 7(-5.975,1.4) 8(-5.975,0.7) 9(-5.975,0) 10(-5.975,-0.7) 11(-5.975,-1.4) 12(-5.975,-2.1) 13(-5.975,-2.8) 14(-5.975,-3.5) 15(-5.975,-4.2) 16(-5.975,-4.9) 34(5.975,-4.9) 35(5.975,-4.2) 36(5.975,-3.5) 37(5.975,-2.8) 38(5.975,-2.1) 39(5.975,-1.4) 40(5.975,-0.7) 41(5.975,0) 42(5.975,0.7) 43(5.975,1.4) 44(5.975,2.1) 45(5.975,2.8) 46(5.975,3.5) 47(5.975,4.2) 48(5.975,4.9)
  rect 0.5x0.85 smd paste-0.05 mask-0.051: 18(-4.9,-6.025) 19(-4.2,-6.025) 20(-3.5,-6.025) 21(-2.8,-6.025) 22(-2.1,-6.025) 23(-1.4,-6.025) 24(-0.7,-6.025) 25(0,-6.025) 26(0.7,-6.025) 27(1.4,-6.025) 28(2.1,-6.025) 29(2.8,-6.025) 30(3.5,-6.025) 31(4.2,-6.025) 32(4.9,-6.025) 50(4.9,6.025) 51(4.2,6.025) 52(3.5,6.025) 53(2.8,6.025) 54(2.1,6.025) 55(1.4,6.025) 56(0.7,6.025) 57(0,6.025) 58(-0.7,6.025) 59(-1.4,6.025) 60(-2.1,6.025) 61(-2.8,6.025) 62(-3.5,6.025) 63(-4.2,6.025) 64(-4.9,6.025)
  rect 1.1x1.1 smd paste-0.075 mask-0.051: G1(-3.85,3.85) G2(-3.85,2.45) G3(-3.85,1.05) G4(-3.85,-1.05) G5(-3.85,-2.45) G6(-3.85,-3.85) G7(-2.45,3.85) G8(-2.45,2.45) G9(-2.45,1.05) G10(-2.45,-1.05) G11(-2.45,-2.45) G12(-2.45,-3.85) G13(-1.05,3.85) G14(-1.05,2.45) G15(-1.05,1.05) G16(-1.05,-1.05) G17(-1.05,-2.45) G18(-1.05,-3.85) G19(1.05,3.85) G20(1.05,2.45) G21(1.05,1.05) G22(1.05,-1.05) G23(1.05,-2.45) G24(1.05,-3.85) G25(2.45,3.85) G26(2.45,2.45) G27(2.45,1.05) G28(2.45,-1.05) G29(2.45,-2.45) G30(2.45,-3.85) G31(3.85,3.85) G32(3.85,2.45) G33(3.85,1.05) G34(3.85,-1.05) G35(3.85,-2.45) G36(3.85,-3.85)
  silkscreen extent -6.85,-6.9 6.85,6.9
MOLX-52271-0679 [mm] "FPC Connector, 6-Leads, Right Angle, Pitch 1.0 mm, Mated Height 3.0 mm, SMT"
  rect 0.6x1.9 smd: 1(-2.5,1.175) 2(-1.5,1.175) 3(-0.5,1.175) 4(0.5,1.175) 5(1.5,1.175) 6(2.5,1.175)
  rect 2.1x2.8 smd: MP1(-5.65,-1.175) MP2(5.65,-1.175)
  silkscreen extent -6.5,-6.87 6.5,2.8, body extent -6.5,-6.87 6.5,1.83, height 3.01
MOLX-0522710579 [mm] "FPC Connector, 6-Leads, Right Angle, Pitch 1.0 mm, Mated Height 3.0 mm, SMT"
  rect 0.6x1.9 smd: 1(-2.5,1.175) 2(-1.5,1.175) 3(-0.5,1.175) 4(0.5,1.175) 5(1.5,1.175)
  rect 2.1x2.8 smd: MP1(-5.65,-1.175) MP2(4.65,-1.175)
  silkscreen extent -6.5,-6.87 5.5,2.8, body extent -6.52,-6.95 5.48,1.75, height 3
NET_TIE [mm]
  round 0.05 smd paste+0 mask+0: 1(0.127,0) 2(-0.127,0)
  Component Side lines w0.254: -0.127,0 0.127,0
OSD335X-BGA-256 [mm]
  rrect100% 0.5x0.5 smd: A1(-9.525,-9.525) A2(-9.525,-8.255) A3(-9.525,-6.985) A4(-9.525,-5.715) A5(-9.525,-4.445) A6(-9.525,-3.175) A7(-9.525,-1.905) A8(-9.525,-0.635) A9(-9.525,0.635) A10(-9.525,1.905) A11(-9.525,3.175) A12(-9.525,4.445) A13(-9.525,5.715) A14(-9.525,6.985) A15(-9.525,8.255) A16(-9.525,9.525) B1(-8.255,-9.525) B2(-8.255,-8.255) B3(-8.255,-6.985) B4(-8.255,-5.715) B5(-8.255,-4.445) B6(-8.255,-3.175) B7(-8.255,-1.905) B8(-8.255,-0.635) B9(-8.255,0.635) B10(-8.255,1.905) B11(-8.255,3.175) B12(-8.255,4.445) B13(-8.255,5.715) B14(-8.255,6.985) B15(-8.255,8.255) B16(-8.255,9.525) C1(-6.985,-9.525) C2(-6.985,-8.255) C3(-6.985,-6.985) C4(-6.985,-5.715) C5(-6.985,-4.445) C6(-6.985,-3.175) C7(-6.985,-1.905) C8(-6.985,-0.635) C9(-6.985,0.635) C10(-6.985,1.905) C11(-6.985,3.175) C12(-6.985,4.445) C13(-6.985,5.715) C14(-6.985,6.985) C15(-6.985,8.255) C16(-6.985,9.525) D1(-5.715,-9.525) D2(-5.715,-8.255) D3(-5.715,-6.985) D4(-5.715,-5.715) D5(-5.715,-4.445) D6(-5.715,-3.175) D7(-5.715,-1.905) D8(-5.715,-0.635) D9(-5.715,0.635) D10(-5.715,1.905) D11(-5.715,3.175) D12(-5.715,4.445) D13(-5.715,5.715) D14(-5.715,6.985) D15(-5.715,8.255) D16(-5.715,9.525) E1(-4.445,-9.525) E2(-4.445,-8.255) E3(-4.445,-6.985) E4(-4.445,-5.715) E5(-4.445,-4.445) E6(-4.445,-3.175) E7(-4.445,-1.905) E8(-4.445,-0.635) E9(-4.445,0.635) E10(-4.445,1.905) E11(-4.445,3.175) E12(-4.445,4.445) E13(-4.445,5.715) E14(-4.445,6.985) E15(-4.445,8.255) E16(-4.445,9.525) F1(-3.175,-9.525) F2(-3.175,-8.255) F3(-3.175,-6.985) F4(-3.175,-5.715) F5(-3.175,-4.445) F6(-3.175,-3.175) F7(-3.175,-1.905) F8(-3.175,-0.635) F9(-3.175,0.635) F10(-3.175,1.905) F11(-3.175,3.175) F12(-3.175,4.445) F13(-3.175,5.715) F14(-3.175,6.985) F15(-3.175,8.255) F16(-3.175,9.525) G1(-1.905,-9.525) G2(-1.905,-8.255) G3(-1.905,-6.985) G4(-1.905,-5.715) G5(-1.905,-4.445) G6(-1.905,-3.175) G7(-1.905,-1.905) G8(-1.905,-0.635) G9(-1.905,0.635) G10(-1.905,1.905) G11(-1.905,3.175) G12(-1.905,4.445) G13(-1.905,5.715) G14(-1.905,6.985) G15(-1.905,8.255) G16(-1.905,9.525) H1(-0.635,-9.525) H2(-0.635,-8.255) H3(-0.635,-6.985) H4(-0.635,-5.715) H5(-0.635,-4.445) H6(-0.635,-3.175) H7(-0.635,-1.905) H8(-0.635,-0.635) H9(-0.635,0.635) H10(-0.635,1.905) H11(-0.635,3.175) H12(-0.635,4.445) H13(-0.635,5.715) H14(-0.635,6.985) H15(-0.635,8.255) H16(-0.635,9.525) J1(0.635,-9.525) J2(0.635,-8.255) J3(0.635,-6.985) J4(0.635,-5.715) J5(0.635,-4.445) J6(0.635,-3.175) J7(0.635,-1.905) J8(0.635,-0.635) J9(0.635,0.635) J10(0.635,1.905) J11(0.635,3.175) J12(0.635,4.445) J13(0.635,5.715) J14(0.635,6.985) J15(0.635,8.255) J16(0.635,9.525) K1(1.905,-9.525) K2(1.905,-8.255) K3(1.905,-6.985) K4(1.905,-5.715) K5(1.905,-4.445) K6(1.905,-3.175) K7(1.905,-1.905) K8(1.905,-0.635) K9(1.905,0.635) K10(1.905,1.905) K11(1.905,3.175) K12(1.905,4.445) K13(1.905,5.715) K14(1.905,6.985) K15(1.905,8.255) K16(1.905,9.525) L1(3.175,-9.525) L2(3.175,-8.255) L3(3.175,-6.985) L4(3.175,-5.715) L5(3.175,-4.445) L6(3.175,-3.175) L7(3.175,-1.905) L8(3.175,-0.635) L9(3.175,0.635) L10(3.175,1.905) L11(3.175,3.175) L12(3.175,4.445) L13(3.175,5.715) L14(3.175,6.985) L15(3.175,8.255) L16(3.175,9.525) M1(4.445,-9.525) M2(4.445,-8.255) M3(4.445,-6.985) M4(4.445,-5.715) M5(4.445,-4.445) M6(4.445,-3.175) M7(4.445,-1.905) M8(4.445,-0.635) M9(4.445,0.635) M10(4.445,1.905) M11(4.445,3.175) M12(4.445,4.445) M13(4.445,5.715) M14(4.445,6.985) M15(4.445,8.255) M16(4.445,9.525) N1(5.715,-9.525) N2(5.715,-8.255) N3(5.715,-6.985) N4(5.715,-5.715) N5(5.715,-4.445) N6(5.715,-3.175) N7(5.715,-1.905) N8(5.715,-0.635) N9(5.715,0.635) N10(5.715,1.905) N11(5.715,3.175) N12(5.715,4.445) N13(5.715,5.715) N14(5.715,6.985) N15(5.715,8.255) N16(5.715,9.525) P1(6.985,-9.525) P2(6.985,-8.255) P3(6.985,-6.985) P4(6.985,-5.715) P5(6.985,-4.445) P6(6.985,-3.175) P7(6.985,-1.905) P8(6.985,-0.635) P9(6.985,0.635) P10(6.985,1.905) P11(6.985,3.175) P12(6.985,4.445) P13(6.985,5.715) P14(6.985,6.985) P15(6.985,8.255) P16(6.985,9.525) R1(8.255,-9.525) R2(8.255,-8.255) R3(8.255,-6.985) R4(8.255,-5.715) R5(8.255,-4.445) R6(8.255,-3.175) R7(8.255,-1.905) R8(8.255,-0.635) R9(8.255,0.635) R10(8.255,1.905) R11(8.255,3.175) R12(8.255,4.445) R13(8.255,5.715) R14(8.255,6.985) R15(8.255,8.255) R16(8.255,9.525) T1(9.525,-9.525) T2(9.525,-8.255) T3(9.525,-6.985) T4(9.525,-5.715) T5(9.525,-4.445) T6(9.525,-3.175) T7(9.525,-1.905) T8(9.525,-0.635) T9(9.525,0.635) T10(9.525,1.905) T11(9.525,3.175) T12(9.525,4.445) T13(9.525,5.715) T14(9.525,6.985) T15(9.525,8.255) T16(9.525,9.525)
PCM_SMD_SWITCH [mil] "SMD Minature Switch"
  round 3.94 hole 35.43 paste+0 mask+0: 0(-59,0) 0(59,0)
  rect 28x59 smd: 1(-88,68.5) 2(30,68.5) 3(89,68.5)
  rect 39x32 smd: M(-143.5,-38.5) M(-143.5,38.5) M(143.5,-38.5) M(143.5,38.5)
  silkscreen extent -169,-55 114,89, body extent -120,-114 115,33, height 55
"Q_TDSON-8 NexFET" [mm] "Power MOSFET"
  rect 0.63x0.5 smd: 1(-1.435,0.975) 2(-1.435,0.325) 3(-1.435,-0.325) 4(-1.435,-0.975) 5(1.435,-0.975) 6(1.435,-0.325) 7(1.435,0.325) 8(1.435,0.975)
  rect 1.9x2.45 smd: TAB(0.39,0)
  silkscreen extent -2.25,-1.5 1.75,1.72, body extent -1.75,-1.23 1.77,1.25, height 1.1
QFN40P400X400X60_HS-29N [mm] "QFN, 28-Leads, Body 4.00x4.00mm, Pitch 0.40mm, Thermal Pad 2.65x2.65mm, IPC Medium Density"
  rect 0.85x0.2 smd mask+0.127: 1(-1.975,1.2) 2(-1.975,0.8) 3(-1.975,0.4) 4(-1.975,0) 5(-1.975,-0.4) 6(-1.975,-0.8) 7(-1.975,-1.2) 15(1.975,-1.2) 16(1.975,-0.8) 17(1.975,-0.4) 18(1.975,0) 19(1.975,0.4) 20(1.975,0.8) 21(1.975,1.2)
  rect 0.2x0.85 smd mask+0.127: 8(-1.2,-1.975) 9(-0.8,-1.975) 10(-0.4,-1.975) 11(0,-1.975) 12(0.4,-1.975) 13(0.8,-1.975) 14(1.2,-1.975) 22(1.2,1.975) 23(0.8,1.975) 24(0.4,1.975) 25(0,1.975) 26(-0.4,1.975) 27(-0.8,1.975) 28(-1.2,1.975)
  rect 2.565x2.565 smd mask+0.051: 29(0,0)
  silkscreen extent -2.97,-2.2 2.2,2.2, body extent -2.05,-2.05 2.05,2.05, height 0.6
QFN40P400X400X80_HS-33N [mm] "QFN, 32-Leads, Body 4.00x4.00mm, Pitch 0.40mm, Thermal Pad 2.70x2.70mm, IPC Medium Density"
  rect 0.75x0.2 smd mask+0.114: 1(-2.1,1.4) 2(-2.1,1) 3(-2.1,0.6) 4(-2.1,0.2) 5(-2.1,-0.2) 6(-2.1,-0.6) 7(-2.1,-1) 8(-2.1,-1.4) 17(2.1,-1.4) 18(2.1,-1) 19(2.1,-0.6) 20(2.1,-0.2) 21(2.1,0.2) 22(2.1,0.6) 23(2.1,1) 24(2.1,1.4)
  rect 0.2x0.75 smd mask+0.114: 9(-1.4,-2.1) 10(-1,-2.1) 11(-0.6,-2.1) 12(-0.2,-2.1) 13(0.2,-2.1) 14(0.6,-2.1) 15(1,-2.1) 16(1.4,-2.1) 25(1.4,2.1) 26(1,2.1) 27(0.6,2.1) 28(0.2,2.1) 29(-0.2,2.1) 30(-0.6,2.1) 31(-1,2.1) 32(-1.4,2.1)
  rect 2.7x2.7 smd mask+0.076: 33(0,0)
  silkscreen extent -2.98,-2.2 2.2,2.2, body extent -2.15,-2.15 2.15,2.15, height 0.8
QFN50P200X200X80-8L [mm] "QFN, 8-Leads, Body 2.1x2.1mm (max), Pitch 0.50mm, IPC High Density"
  rect 0.25x0.8 smd mask+0.07: 1(-0.75,-1.1) 2(-0.25,-1.1) 3(0.25,-1.1) 4(0.75,-1.1) 5(0.75,1.1) 6(0.25,1.1) 7(-0.25,1.1) 8(-0.75,1.1)
  rect 2.5x0.9 smd mask+0.07: 9(0,0)
  silkscreen extent -1.44,-1.61 1.26,1.06, body extent -1.05,-1.05 1.05,1.05, height 0.8
R_0402 [mm] "Resistor 0402"
  rrect50% 0.6x0.65 smd: 1(-0.5,0) 2(0.5,0)
R_0603 [mm] "Resistor 0603"
  rrect50% 1.1x1 smd: 1(-0.85,0) 2(0.85,0)
  silkscreen extent -0.1,-0.45 0.1,0.45, body extent -0.8,-0.4 0.8,0.4, height 0.3
R_1206 [mm] "Resistor 1206"
  rrect50% 1.6x1.8 smd: 1(-1.4,0) 2(1.4,0)
  silkscreen extent -0.4,-0.8 0.4,0.8, body extent -1.6,-0.8 1.6,0.8, height 1
R_LVK25_0.003 [mm]
  rect 1.4x3.3 smd: 1(-1.8,-2.15) 2(1.8,-2.15) 3(1.8,2.15) 4(-1.8,2.15)
  silkscreen extent -1.81,-4.26 0.3,3.8, body extent -2.22,-3.82 2.19,3.8, height 1.3
RHB0032E [mm]
  oval 0.6x0.24 smd paste-0.102 mask+0.051: 1(-2.4,1.75) 2(-2.4,1.25) 3(-2.4,0.75) 4(-2.4,0.25) 5(-2.4,-0.25) 6(-2.4,-0.75) 7(-2.4,-1.25) 8(-2.4,-1.75) 17(2.4,-1.75) 18(2.4,-1.25) 19(2.4,-0.75) 20(2.4,-0.25) 21(2.4,0.25) 22(2.4,0.75) 23(2.4,1.25) 24(2.4,1.75)
  oval 0.24x0.6 smd paste-0.102 mask+0.051: 9(-1.75,-2.4) 10(-1.25,-2.4) 11(-0.75,-2.4) 12(-0.25,-2.4) 13(0.25,-2.4) 14(0.75,-2.4) 15(1.25,-2.4) 16(1.75,-2.4) 25(1.75,2.4) 26(1.25,2.4) 27(0.75,2.4) 28(0.25,2.4) 29(-0.25,2.4) 30(-0.75,2.4) 31(-1.25,2.4) 32(-1.75,2.4)
  round 0.5 hole 0.203 mask+0.051: 33(-1.475,0) 33(0,-1.475) 33(0,0) 33(0,1.475) 33(1.475,0)
  rect 3.45x3.45 smd paste-1.712 mask+0.051: 33(0,0)
  silkscreen extent -2.72,-2.73 2.72,2.73